# Altium PCB 1.PcbDoc (part 1 of 2)
Units mil, origin at the board's own origin, x right, y up, seen from the top; angles counter-clockwise.
Board outline 4225.03 x 4485.03 mil, 2 copper layers (Top Layer, Bottom Layer); 137 components, 104 nets, 694 pads, 56 vias.
Unrouted connection lines stored in the file: 96.
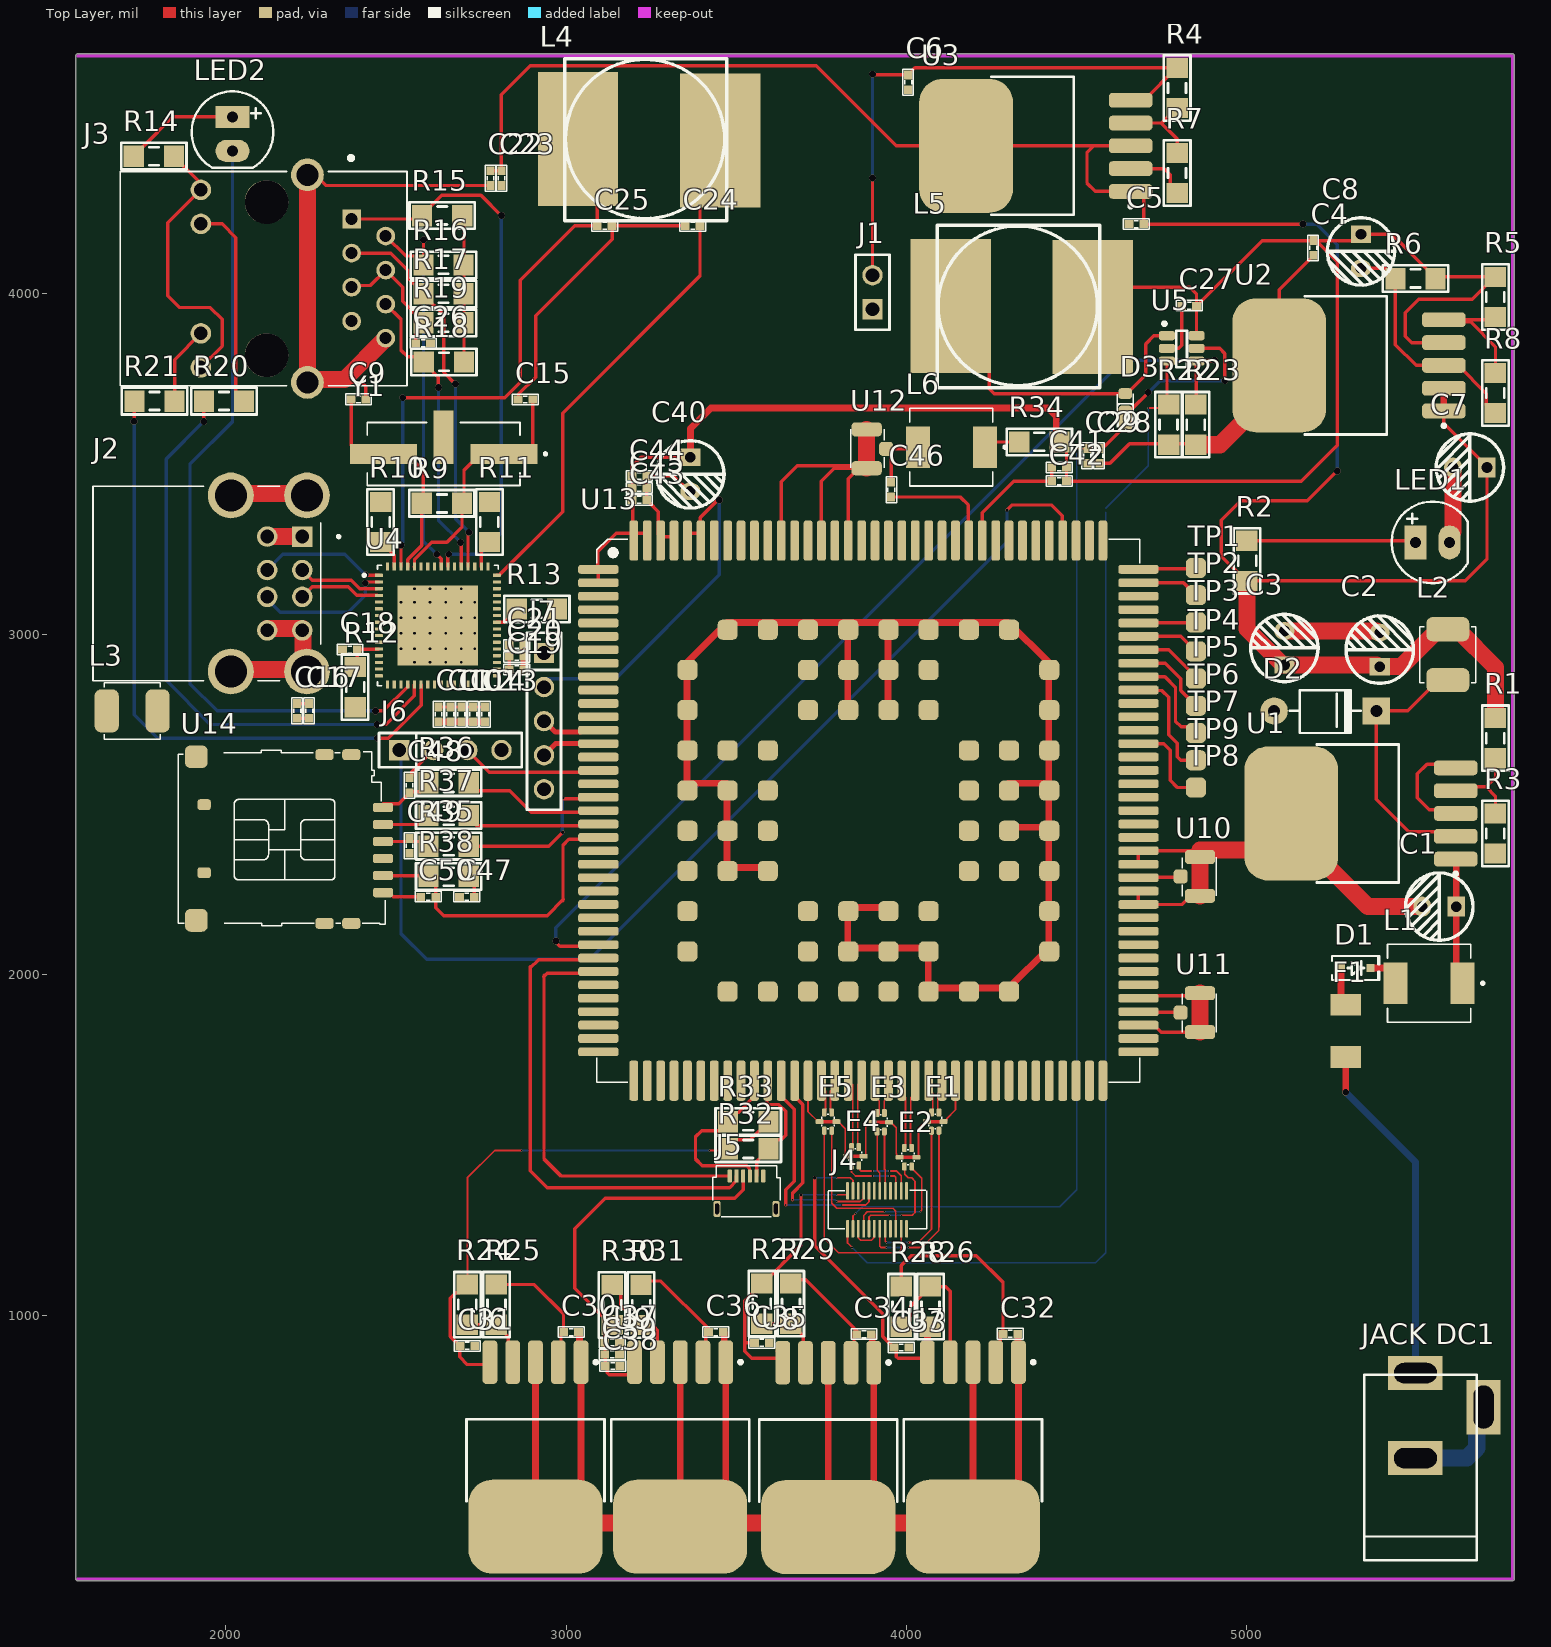
[diagram p0: Top Layer view]
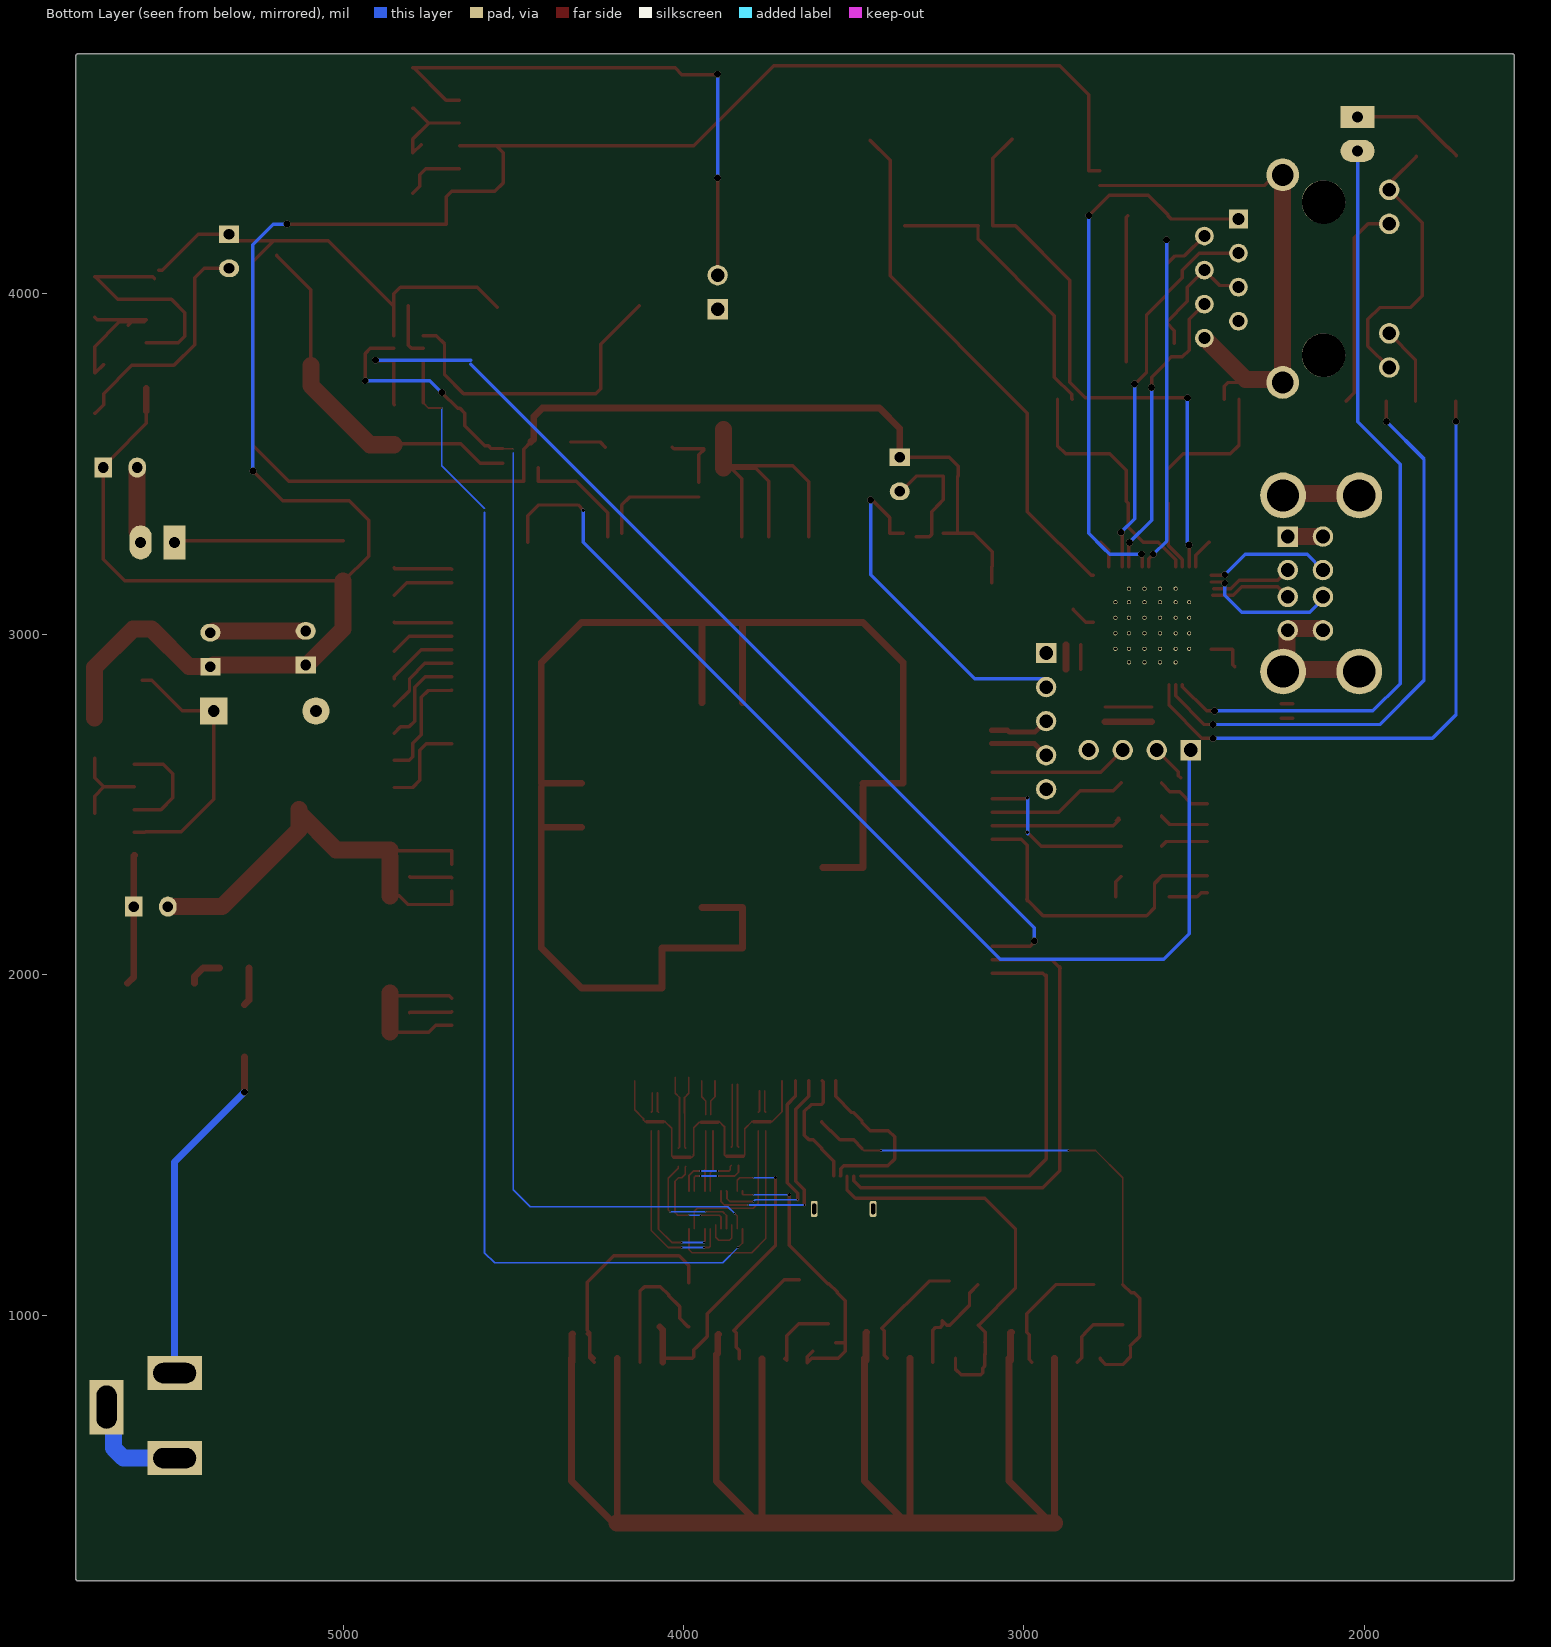
[diagram p1: Bottom Layer view, seen from below]
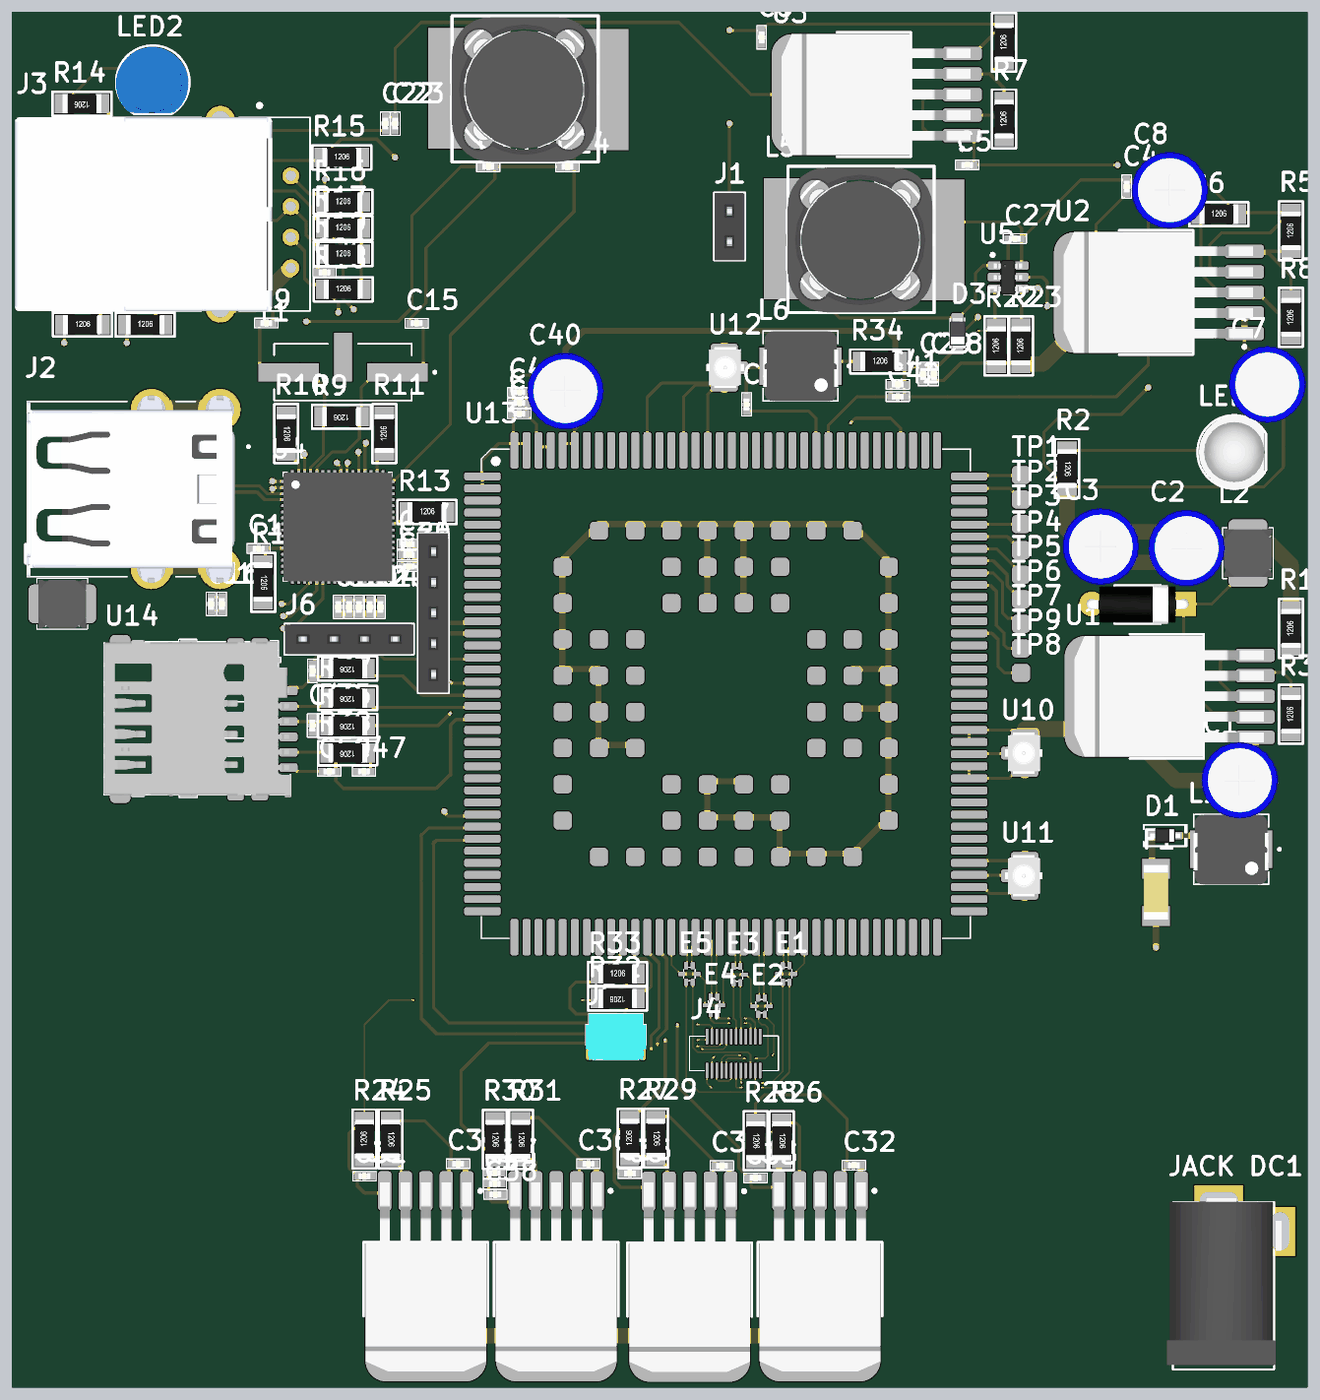
[diagram p3: 3D render of the assembled board from above, using the file's embedded part models]

## Layer stack, top to bottom
Top Solder: solder mask 0.4, Solder Resist, Dk 3.5
Top Layer: signal copper 1.4
Dielectric 1: dielectric 12.6, FR-4, Dk 4.8
Bottom Layer: signal copper 1.4
Bottom Solder: solder mask 0.4, Solder Resist, Dk 3.5

## Board outline
1559.98,225 1559.98,4700 cw(c1565,4700) 1565,4705.02 5780,4705.02 cw(c5780,4700) 5785.01,4700 5785.02,225 cw(c5780,225) 5779.97,219.99 1565,219.99 cw(c1565,225)

## Design rules (kind name [scope] priority, off if disabled: settings)
Clearance [All] p1: gap=0 ignorepadtopadclearanceinfootprint=FALSE
DiffPairsRouting [All] p1: maxlimit=10 minlimit=10 mostfreqgap=10 toplayer_minwidth=5 toplayer_maxwidth=15 toplayer_prefwidth=15 bottomlayer_minwidth=5 bottomlayer_maxwidth=15 bottomlayer_prefwidth=15 maxuncoupledlength=500
PolygonConnect [All] p1: connectstyle=Relief reliefconductorwidth=10 reliefentries=4 polygonreliefangle="90 Angle" airgapwidth=10
RoutingVias [All] p1: holewidth=28 width=50 viastyle="Through Hole" minholewidth=28 minwidth=50 maxholewidth=28 maxwidth=50
SolderMaskExpansion [All] p1: expansion=4 istentingtop=FALSE
Width [All] p1: maxlimit=50 minlimit=5 preferedwidth=10
29 further rules are at their usual default settings.

## Classes and differential pairs
component class "USB (1)": C9 C10 C11 C12 C13 C14 C15 C16 C17 C18 C19 C20 C21 C22 C23 C24 C25 C26 J1 J2 J3 L3 L4 LED2 R9 R10 R11 R12 R13 R14 R15 R16 R17 R18 R19 R20 R21 U4 Y1
component class "SC20 (2)": C40 C41 C42 C43 C44 C45 C46 C47 C48 C49 C50 J6 J7 L6 R34 R35 R36 R37 R38 TP1 TP2 TP3 TP4 TP5 TP6 TP7 TP8 TP9 U10 U11 U12 U13 U14
component class "Power (2)": C1 C2 C3 C4 C5 C6 C7 C8 D1 D2 F1 "JACK DC1" L1 L2 LED1 R1 R2 R3 R4 R5 R6 R7 R8 U1 U2 U3
component class "LCD_Touch (1)": C27 C28 C29 C30 C31 C32 C33 C34 C35 C36 C37 C38 C39 D3 E1 E2 E3 E4 E5 J4 J5 L5 R22 R23 R24 R25 R26 R27 R28 R29 R30 R31 R32 R33 U5 U6 U7 U8 U9
differential pair NewDifferentialPair2: +USB_D2_N -USB_D2_P
differential pair NewDifferentialPair1: +USB_D3_N -USB_D3_P
differential pair USB_D: +USB_D_P -USB_D_N
differential pair SC_LN3: +SC_LN3_P -SC_LN3_N
differential pair SC_LN2: +SC_LN2_P -SC_LN2_N
differential pair SC_LN1: +SC_LN1_P -SC_LN1_N
differential pair SC_LN0: +SC_LN0_P -SC_LN0_N
differential pair SC_CLK: +SC_CLK_P -SC_CLK_N

## Components (designator, comment, footprint, x,y, rotation, side; value= is the part's Value field where it differs from the comment)
C1 "100uF 20V" "TU HOA 5mm" 5565,2200 r180 top
C2 "470uF 10V" "TU HOA 5mm" 5390,2955 r90 top
C3 "470uF 10V" "TU HOA 5mm" 5110,2960 r90 top
C4 "100nF 10V" "tu 0402" 5195,4135 r90 top
C5 "4.7uF 10V" "tu 0402" 4675,4205 r0 top
C6 "4.7uF 10V" "tu 0402" 4005,4621.65 r90 top
C7 "100uF 10V" "TU HOA 5mm" 5655,3490 r180 top
C8 "470uF 10V" "TU HOA 5mm" 5335,4125 r270 top
C9 "33pF 50V" "tu 0402" 2390,3690 r0 top
C10 "4.7uF 10V" "tu 0402" 2660,2765 r90 top
C11 "100nF 10V" "tu 0402" 2625,2765 r90 top
C12 "100nF 10V" "tu 0402" 2692.03,2765 r90 top
C13 "100nF 10V" "tu 0402" 2762.03,2765 r90 top
C14 "100nF 10V" "tu 0402" 2727.03,2765 r90 top
C15 "33pF 50V" "tu 0402" 2880,3690 r180 top
C16 "0.1uF 10V 10%" "tu 0402" 2210,2775 r90 top
C17 "0.1uF 10V 10%" "tu 0402" 2245,2775 r90 top
C18 "0.01uF" "tu 0402" 2365,2955 r0 top
C19 "100nF 10V" "tu 0402" 2854.81,2897.34 r180 top
C20 "4.7uF 10V" "tu 0402" 2854.84,2934.37 r180 top
C21 "100nF 10V" "tu 0402" 2854.84,2969.37 r180 top
C22 "4.7uF 10V" "tu 0402" 2777.97,4340.03 r90 top
C23 "100nF 10V" "tu 0402" 2810,4340 r270 top
C24 "0.1uF" "tu 0402" 3371.65,4200 r180 top
C25 "1.0uF" "tu 0402" 3113.35,4200 r180 top
C26 "22nF 10V" "tu 0402" 2580,3855 r0 top
C27 "4.7uF 10V" "tu 0402" 4830,3965 r0 top
C28 "1uF" "tu 0402" 4566.22,3524.37 r90 top
C29 "1nF" "tu 0402" 4531.22,3524.37 r90 top
C30 "4.7uF 10V" "tu 0402" 3015,950 r0 top
C31 "4.7uF 10V" "tu 0402" 2710,910 r180 top
C32 "4.7uF 10V" "tu 0402" 4305,945 r0 top
C33 "4.7uF 10V" "tu 0402" 3985,905 r180 top
C34 "4.7uF 10V" "tu 0402" 3875.02,943.76 r0 top
C35 "4.7uF 10V" "tu 0402" 3575.02,918.76 r180 top
C36 "4.7uF 10V" "tu 0402" 3440,950 r0 top
C37 "4.7uF 10V" "tu 0402" 3135,920 r180 top
C38 "100nF 10V" "tu 0402" 3136.65,850.62 r180 top
C39 "4.7uF 10V" "tu 0402" 3135,885 r180 top
C40 "100uF 10V" "TU HOA 5mm" 3365,3470 r270 top
C41 "1uF 10V" "tu 0402" 4448.35,3490 r0 top
C42 "100pF 10V" "tu 0402" 4448.35,3450 r0 top
C43 "10pF 10V" "tu 0402" 3215,3395 r180 top
C44 "33pF 10V" "tu 0402" 3215,3465 r180 top
C45 "100nF 10V" "tu 0402" 3215,3430 r180 top
C46 "100nF" "tu 0402" 3955,3425 r270 top
C47 "33pF 5V" "tu 0402" 2708.37,2228.76 r0 top
C48 "33pF 5V" "tu 0402" 2540,2556.65 r270 top
C49 "33pF 5V" "tu 0402" 2540.02,2378.76 r90 top
C50 "33pF 5V" "tu 0402" 2595.02,2228.76 r0 top
D1 "SS34" "DIODE SOD323F" 5320,2020 r0 top
D2 "DIODE SS34" "DIODE 1A" 5030,2775 r180 top
D3 "DIODE RB16VA-40" RB16VA-40 4670,3660 r270 top
E1 "" ICMEF112P900MFR 4105.02,1568.76 r0 top
E2 "EMI FILTER" ICMEF112P900MFR 4025.02,1463.76 r0 top
E3 "EMI FILTER" ICMEF112P900MFR 3944.86,1566.79 r0 top
E4 "EMI FILTER" ICMEF112P900MFR 3869.86,1466.79 r0 top
E5 "EMI FILTER" ICMEF112P900MFR 3790.02,1568.76 r0 top
F1 "38212500000" "Cau Chi SMD1808" 5290,1835 r90 top
J1 "Jp 2" "JP 1x2 CT" 3900,3955 r90 top
J2 "SS-52100-003" BEL_SS-52100-003 2015.16,3149.37 r270 top
J3 "HR911105A" HANRUN_HR911105A 2120,4044.8 r90 top
J4 "LCM_CONNECT_245804024" A245804024 4000.02,1364.99 r180 top
J5 "TOUCH_CONNECT" FH34SRJ-6S-0.5SH 3628.29,1438.29 r180 top
J6 "Jp 4" "JP 1x4 CT" 2510,2660 r0 top
J7 "Jp 5" "JP 1X5 CT" 2935,2945 r270 top
"JACK DC1" "JACK DC 5.5" "JACK DC 5.5" 5595,705 r90 top value="Jac DC"
L1 "CBC3225T2R2MR" "CUON CAM SMD 0530" 5535,1975 r180 top
L2 "100uH" LQH44PN1R0NP0 5590,3018.94 r90 top
L3 "L 0805 2Amp/0.05DCR" LQH44PN1R0NP0 1803.94,2775 r0 top
L4 "L 0805 2Amp/0.05DCR" "Cuon Cam 12x12x10" 2995.63,4691.22 r270 top
L5 "22uH L 0805" "Cuon Cam 12x12x10" 4090.63,4201.22 r270 top
L6 "56nH L 0805" "CUON CAM SMD 0530" 4131.57,3550 r180 top
LED1 "LED 0805" LED-5MM-RED 5495,3270 r0 top
LED2 "LED 0805" LED-5MM-BLUE 2020,4475 r270 top
R1 "3.1k" "Tro SMD 1206" 5730,2695 r90 top
R2 "1K" "Tro SMD 1206" 5000,3215.94 r270 top
R3 "1k" "Tro SMD 1206" 5730,2415 r90 top
R4 "47k" "Tro SMD 1206" 4795,4605 r90 top
R5 "2.2k" "Tro SMD 1206" 5730,3990.94 r90 top
R6 "2.2k" "Tro SMD 1206" 5495,4045 r0 top
R7 "15k" "Tro SMD 1206" 4795,4355 r90 top
R8 "1k" "Tro SMD 1206" 5730,3709.06 r90 top
R9 "1M" "Tro SMD 1206" 2635,3385 r180 top
R10 "12k" "Tro SMD 1206" 2455,3330 r270 top
R11 "12.4k 1%" "Tro SMD 1206" 2775,3330 r90 top
R12 "10k 1%" "Tro SMD 1206" 2380,2845 r270 top
R13 "10k" "Tro SMD 1206" 2913.9,3074.37 r0 top
R14 "1k" "Tro SMD 1206" 1789.06,4405 r180 top
R15 "49.9 1%" "Tro SMD 1206" 2635.94,4230 r0 top
R16 "49.9 1%" "Tro SMD 1206" 2640,4085 r0 top
R17 "49.9 1%" "Tro SMD 1206" 2640,4000 r0 top
R18 "49.9 1%" "Tro SMD 1206" 2640.94,3800 r0 top
R19 "10 1%" "Tro SMD 1206" 2640,3915 r0 top
R20 "1k" "Tro SMD 1206" 1995,3685 r0 top
R21 "1k" "Tro SMD 1206" 1790.94,3685 r0 top
R22 "5R" "Tro SMD 1206" 4770,3615.94 r90 top
R23 "10K" "Tro SMD 1206" 4850,3615.94 r90 top
R24 "15K" "Tro SMD 1206" 2710,1030.94 r90 top
R25 "12K" "Tro SMD 1206" 2795,1030.94 r270 top
R26 "30K" "Tro SMD 1206" 4070,1025 r270 top
R27 "15K" "Tro SMD 1206" 3575.02,1033.76 r90 top
R28 "12K" "Tro SMD 1206" 3985,1025 r270 top
R29 "12K" "Tro SMD 1206" 3660.02,1033.76 r270 top
R30 "30K" "Tro SMD 1206" 3135,1030 r270 top
R31 "12K" "Tro SMD 1206" 3220,1030 r270 top
R32 "10K" "Tro SMD 1206" 3535.02,1488.76 r180 top
R33 "10K" "Tro SMD 1206" 3535.02,1568.76 r0 top
R34 "10R" "Tro SMD 1206" 4390,3565 r0 top
R35 "22R" "Tro SMD 1206" 2655.02,2377.76 r180 top
R36 "22R" "Tro SMD 1206" 2655,2564 r180 top
R37 "22R" "Tro SMD 1206" 2655.02,2467.76 r180 top
R38 "10K" "Tro SMD 1206" 2655.02,2288.76 r180 top
TP1 "Test Point" TP 4850,3195 r0 top
TP2 "Test Point" TP 4850,3115 r90 top
TP3 "Test Point" TP 4850,3035 r90 top
TP4 "Test Point" TP 4850,2950 r90 top
TP5 "Test Point" TP 4850,2870 r90 top
TP6 "Test Point" TP 4850,2790 r90 top
TP7 "Test Point" TP 4850,2710 r90 top
TP8 "Test Point" TP 4850,2550 r90 top
TP9 "Test Point" TP 4850,2630 r90 top
U1 "LM2576H-ADJ" MIC29302WU 5366.26,2473.78 r180 top
U2 "MIC29302WU" MIC29302WU 5331.24,3790.02 r180 top
U3 "AP7365-ADJ" MIC29302WU 4411.24,4435.02 r180 top
U4 "LAN9512-JZX" QFN50P900X900X100-65N 2623.11,3025.87 r0 top
U5 "SGM3732" SGM3732 4859.49,3877.4 r0 top
U6 "AP7365-ADJ" MIC29302WU 2910,615 r270 top
U7 "AP7365-ADJ" MIC29302WU 4195,615 r270 top
U8 "AP7365-ADJ" MIC29302WU 3770.02,613.76 r270 top
U9 "AP7365-ADJ" MIC29302WU 3335,615 r270 top
U10 "UF.L-R-SMT" UFL 4909.36,2344.86 r270 top
U11 "UF.L-R-SMT" UFL 4909.36,1944.86 r270 top
U12 "UF.L-R-SMT" UFL 3835.67,3488.9 r90 top
U13 "SC20" SC20 3137.86,3239.94 r0 top
U14 "MUP C719" 78646-3001 2175.02,2393.76 r180 top
Y1 "ECS-250-18-5G3X-JGN-TR" XTAL_ECS-250-18-5G3X-JGN-TR 2640,3530 r180 top

## Footprints (in the part's own frame and the unit in brackets; to place one, negate y for a bottom-side part, rotate by r counter-clockwise, add the part's x,y. Pads: shape width x height; smd on the part's side, far side on the other; paste and mask are expansions set on the pad)
78646-3001 [mm]
  rrect50% 1.5x0.7 smd: C1(-7.295,2.6) C2(-7.295,0.06) C3(-7.295,-2.48) C5(-7.295,3.87) C6(-7.295,1.33) C7(-7.295,-1.21)
  rrect50% 1.35x0.8 smd: C9(-4.925,6.17) C9(-4.925,-6.425) C9(-2.925,6.17) C9(-2.925,-6.425)
  rrect50% 1.7x1.7 smd: C9(6.635,5.945) C9(6.635,-6.265)
  rrect50% 1x0.8 smd: ""(6.055,-2.695) ""(6.055,2.385)
  silkscreen extent -7.45,-6.75 8,6.35, body extent -7.45,-6.7 8,6.35, height 1.46
A245804024 [mm]
  rrect50% 0.2x1.3 smd: 1(0,2.825) 2(0.4,2.825) 3(0.8,2.825) 4(1.2,2.825) 5(1.6,2.825) 6(2,2.825) 7(2.4,2.825) 8(2.8,2.825) 9(3.2,2.825) 10(3.6,2.825) 11(4,2.825) 12(4.4,2.825) 13(4.4,0) 14(4,0) 15(3.6,0) 16(3.2,0) 17(2.8,0) 18(2.4,0) 19(2,0) 20(1.6,0) 21(1.2,0) 22(0.8,0) 23(0.4,0) 24(0,0)
  silkscreen extent -1.5,-0.05 5.85,2.84
BEL_SS-52100-003 [mm]
  rect 1.53x1.53 / inner round 1.53 / far side rect 1.53x1.53 hole 1.02: 1(-3.5,5.33)
  round 1.53 hole 1.02: 2(-1,5.33) 3(1,5.33) 4(3.5,5.33) 5(-3.5,2.71) 6(-1,2.71) 7(1,2.71) 8(3.5,2.71)
  round 3.416 hole 2.4: S1(-6.57,5.68) S2(6.57,5.68) S3(-6.57,0) S4(6.57,0)
  silkscreen extent -7.25,-10.28 7.25,8.14, body extent -7.9,-10.3 7.9,6.9, height 15.95
"Cau Chi SMD1808" [mil]
  rect 64x90 smd: 1(-77,0) 2(77,0)
  body extent -91,-39 91,39, height 39
"Cuon Cam 12x12x10" [mm] "Cuon Cam 12x12x10"
  rect 10x6 smd: 1(6.1,11.6) 2(6,1)
  silkscreen extent 0,0 12.1,12.1, body extent 0.1,-0.2 12.1,12.14, height 7.51
"CUON CAM SMD 0530" [mm] "CUON CAM SMD 0530"
  rect 1.8x3.1 smd: 1(-2.5,0) 2(2.5,0)
  silkscreen extent -4.1,-2.9 3.1,2.9, body extent -3.1,-2.88 3.1,2.92, height 3
"DIODE 1A" [mil] "Diode 1A"
  round 80 hole 35: 1(-50,0)
  rect 80x80 hole 35: 2(-350,0)
  silkscreen extent -305,-61 -95,65, body extent -366,-61 -34,65, height 122
"DIODE SOD323F" [mm] "SOD323F"
  rect 0.6x0.6 smd: 1(-1.1,0) 2(1.1,0)
  silkscreen extent -1.78,-0.89 1.78,0.89, body extent -1.25,-0.62 1.25,0.63, height 0.8
FH34SRJ-6S-0.5SH [mm]
  rrect50% 0.5x1.2 hole 0.3 slot 0.8 at 90 deg: 0(0.3,3.2) 0(4.7,3.2)
  rrect50% 0.3x1 smd: 1(3.75,0.75) 2(3.25,0.75) 3(2.75,0.75) 4(2.25,0.75) 5(1.75,0.75) 6(1.25,0.75)
  silkscreen extent 0,-0.03 5,3.8, body extent 0,0 5,3.8
HANRUN_HR911105A [mm]
  rect 1.398x1.398 / inner round 1.398 / far side rect 1.398x1.398 hole 0.89: 1(4.45,-6.35)
  round 1.398 hole 0.89: 2(3.18,-8.89) 3(1.91,-6.35) 4(0.64,-8.89) 5(-0.63,-6.35) 6(-1.9,-8.89) 7(-3.17,-6.35) 8(-4.44,-8.89)
  round 1.53 hole 1.02: 9(6.625,4.9) 10(4.085,4.9) 11(-4.085,4.9) 12(-6.625,4.9)
  round 2.445 hole 1.63: 15(7.745,-3.05) 16(-7.745,-3.05)
  round 3.25 hole 3.25 unplated: ""(-5.715,0) ""(5.715,0)
  silkscreen extent -8,-10.48 9.15,10.92, body extent -8.02,-7.35 8.02,13.95, height 13.5
ICMEF112P900MFR [mm]
  rrect50% 0.35x0.6 smd: 1(-0.8,0.685) 2(-0.25,0.685) 3(-0.25,-0.685) 4(-0.8,-0.685)
  rrect50% 0.6x0.35 smd: 5(-1.15,0) 6(0.1,0)
  silkscreen extent -1,-0.55 -0.05,0.55
"JACK DC 5.5" [mil] "Jac DC input"
  rect 100x160 hole 59.06 slot 125.98 at 90 deg: 1(125,100) 2(-125,100)
  rect 160x100 hole 59.06 slot 125.98 at 0 deg: 3(25,-100)
  silkscreen extent -425,-80 120,250, body extent -410,-105 134,269, height 434
"JP 1x2 CT" [mm] "JP 1x2 CT"
  rect 1.52x1.52 hole 1.02: 1(0,0)
  round 1.52 hole 1.02: 2(2.54,0)
  silkscreen extent -1.52,-1.27 4.06,1.27, body extent -1.52,-1.25 4.06,1.25, height 8.51
"JP 1x4 CT" [mm]
  rect 1.52x1.52 hole 1.02: 1(0,0)
  round 1.52 hole 1.02: 2(2.54,0) 3(5.08,0) 4(7.62,0)
  silkscreen extent -1.52,-1.27 9.14,1.27, body extent -1.52,-1.25 9.14,1.25, height 8.51
"JP 1X5 CT" [mm]
  rect 1.52x1.52 hole 1.02: 1(0,0)
  round 1.52 hole 1.02: 2(2.54,0) 3(5.08,0) 4(7.62,0) 5(10.16,0)
  silkscreen extent -1.52,-1.27 11.68,1.27, body extent -1.52,-1.25 11.68,1.25, height 8.51
LED-5MM-BLUE [mil] "LED 2 PIN, 5 ly , Only colour, pin to pin 110mil"
  rect 65x100 hole 32: 1(-45,0)
  oval 65x100 hole 32: 2(55,0)
  silkscreen extent -120,-120 104,120, body extent -113,-120 100,117, height 339
LED-5MM-RED [mil] "LED 2 PIN, 5 ly , Only colour,pin to pin 100mil"
  rect 65x100 hole 32: 1(0,0)
  oval 65x100 hole 32: 2(100,0)
  silkscreen extent -70,-120 154,120, body extent -65,-119 149,118, height 339
LQH44PN1R0NP0 [mm] "Precision Wire Wound Inductor, 2-Leads, Body 4.00x4.00mm, IPC Low Density"
  rrect50% 1.8x3.2 smd: 1(-3.9,0) 2(-0.1,0)
  silkscreen extent -4.1,-2.1 0.1,2.1, body extent -3.97,-1.97 -0.02,1.98, height 1.8
MIC29302WU [mm]
  rrect50% 3.25x1.1 smd: 1(-6.274,3.401) 2(-6.274,1.701) 3(-6.274,0.001) 4(-6.274,-1.699) 5(-6.274,-3.399)
  rrect50% 7x10 smd: 3(6.001,0.001)
  silkscreen extent -6.4,-5.15 4.1,5.15, body extent -6.99,-5 8.68,5, height 4.78
QFN50P900X900X100-65N [mm]
  rrect25% 0.6x0.24 smd: 1(-4.4,3.75) 2(-4.4,3.25) 3(-4.4,2.75) 4(-4.4,2.25) 5(-4.4,1.75) 6(-4.4,1.25) 7(-4.4,0.75) 8(-4.4,0.25) 9(-4.4,-0.25) 10(-4.4,-0.75) 11(-4.4,-1.25) 12(-4.4,-1.75) 13(-4.4,-2.25) 14(-4.4,-2.75) 15(-4.4,-3.25) 16(-4.4,-3.75) 33(4.4,-3.75) 34(4.4,-3.25) 35(4.4,-2.75) 36(4.4,-2.25) 37(4.4,-1.75) 38(4.4,-1.25) 39(4.4,-0.75) 40(4.4,-0.25) 41(4.4,0.25) 42(4.4,0.75) 43(4.4,1.25) 44(4.4,1.75) 45(4.4,2.25) 46(4.4,2.75) 47(4.4,3.25) 48(4.4,3.75)
  rrect25% 0.24x0.6 smd: 17(-3.75,-4.4) 18(-3.25,-4.4) 19(-2.75,-4.4) 20(-2.25,-4.4) 21(-1.75,-4.4) 22(-1.25,-4.4) 23(-0.75,-4.4) 24(-0.25,-4.4) 25(0.25,-4.4) 26(0.75,-4.4) 27(1.25,-4.4) 28(1.75,-4.4) 29(2.25,-4.4) 30(2.75,-4.4) 31(3.25,-4.4) 32(3.75,-4.4) 49(3.75,4.4) 50(3.25,4.4) 51(2.75,4.4) 52(2.25,4.4) 53(1.75,4.4) 54(1.25,4.4) 55(0.75,4.4) 56(0.25,4.4) 57(-0.25,4.4) 58(-0.75,4.4) 59(-1.25,4.4) 60(-1.75,4.4) 61(-2.25,4.4) 62(-2.75,4.4) 63(-3.25,4.4) 64(-3.75,4.4)
  rect 6x6 smd paste-2.52: 65(0,0)
  round 0.3 hole 0.2 mask+0: 66(-0.58,-0.58) 67(-0.58,0.58) 68(0.58,0.58) 69(0.58,-0.58) 70(1.74,-0.58) 71(1.74,0.58) 72(2.75,0.58) 73(2.75,-0.58) 74(-1.74,0.58) 75(-1.74,-0.58) 76(-2.75,0.58) 77(-2.75,-0.58) 78(-0.58,1.74) 79(0.58,1.74) 80(1.74,1.74) 81(2.75,1.74) 82(-1.74,1.74) 83(-2.75,1.74) 84(-0.58,-1.74) 85(0.58,-1.74) 86(1.74,-1.74) 87(2.75,-1.74) 88(-1.74,-1.74) 89(-2.75,-1.74) 90(-0.58,-2.75) 91(0.58,-2.75) 92(1.74,-2.75) 94(-1.74,-2.75) 96(-0.58,2.75) 97(0.58,2.75) 98(1.74,2.75) 100(-1.74,2.75)
  silkscreen extent -5.59,-4.5 4.5,4.5, body extent -4.5,-4.5 4.5,4.5, height 0.9
RB16VA-40 [mm]
  rrect50% 0.8x1 smd: 1(-1.2,-0.7)
  rrect50% 2x1 smd: 2(0.7,-0.7)
  silkscreen extent -1.17,-1.35 1.33,-0.05, body extent -1.17,-1.32 1.33,-0.02, height 0.81
SC20 [mm]
  rrect50% 3x0.65 smd: 1(-1.1,-1.25) 2(-1.1,-2.25) 3(-1.1,-3.25) 4(-1.1,-4.25) 5(-1.1,-5.25) 6(-1.1,-6.25) 7(-1.1,-7.25) 8(-1.1,-8.25) 9(-1.1,-9.25) 10(-1.1,-10.25) 11(-1.1,-11.25) 12(-1.1,-12.25) 13(-1.1,-13.25) 14(-1.1,-14.25) 15(-1.1,-15.25) 16(-1.1,-16.25) 17(-1.1,-17.25) 18(-1.1,-18.25) 19(-1.1,-19.25) 20(-1.1,-20.25) 21(-1.1,-21.25) 22(-1.1,-22.25) 23(-1.1,-23.25) 24(-1.1,-24.25) 25(-1.1,-25.25) 26(-1.1,-26.25) 27(-1.1,-27.25) 28(-1.1,-28.25) 29(-1.1,-29.25) 30(-1.1,-30.25) 31(-1.1,-31.25) 32(-1.1,-32.25) 33(-1.1,-33.25) 34(-1.1,-34.25) 35(-1.1,-35.25) 36(-1.1,-36.25) 37(-1.1,-37.25) 74(39.2,-37.25) 75(39.2,-36.25) 76(39.2,-35.25) 77(39.2,-34.25) 78(39.2,-33.25) 79(39.2,-32.25) 80(39.2,-31.25) 81(39.2,-30.25) 82(39.2,-29.25) 83(39.2,-28.25) 84(39.2,-27.25) 85(39.2,-26.25) 86(39.2,-25.25) 87(39.2,-24.25) 88(39.2,-23.25) 89(39.2,-22.25) 90(39.2,-21.25) 91(39.2,-20.25) 92(39.2,-19.25) 93(39.2,-18.25) 94(39.2,-17.25) 95(39.2,-16.25) 96(39.2,-15.25) 97(39.2,-14.25) 98(39.2,-13.25) 99(39.2,-12.25) 100(39.2,-11.25) 101(39.2,-10.25) 102(39.2,-9.25) 103(39.2,-8.25) 104(39.2,-7.25) 105(39.2,-6.25) 106(39.2,-5.25) 107(39.2,-4.25) 108(39.2,-3.25) 109(39.2,-2.25) 110(39.2,-1.25)
  rrect50% 0.65x3 smd: 38(1.55,-39.4) 39(2.55,-39.4) 40(3.55,-39.4) 41(4.55,-39.4) 42(5.55,-39.4) 43(6.55,-39.4) 44(7.55,-39.4) 45(8.55,-39.4) 46(9.55,-39.4) 47(10.55,-39.4) 48(11.55,-39.4) 49(12.55,-39.4) 50(13.55,-39.4) 51(14.55,-39.4) 52(15.55,-39.4) 53(16.55,-39.4) 54(17.55,-39.4) 55(18.55,-39.4) 56(19.55,-39.4) 57(20.55,-39.4) 58(21.55,-39.4) 59(22.55,-39.4) 60(23.55,-39.4) 61(24.55,-39.4) 62(25.55,-39.4) 63(26.55,-39.4) 64(27.55,-39.4) 65(28.55,-39.4) 66(29.55,-39.4) 67(30.55,-39.4) 68(31.55,-39.4) 69(32.55,-39.4) 70(33.55,-39.4) 71(34.55,-39.4) 72(35.55,-39.4) 73(36.55,-39.4) 111(36.55,0.9) 112(35.55,0.9) 113(34.55,0.9) 114(33.55,0.9) 115(32.55,0.9) 116(31.55,0.9) 117(30.55,0.9) 118(29.55,0.9) 119(28.55,0.9) 120(27.55,0.9) 121(26.55,0.9) 122(25.55,0.9) 123(24.55,0.9) 124(23.55,0.9) 125(22.55,0.9) 126(21.55,0.9) 127(20.55,0.9) 128(19.55,0.9) 129(18.55,0.9) 130(17.55,0.9) 131(16.55,0.9) 132(15.55,0.9) 133(14.55,0.9) 134(13.55,0.9) 135(12.55,0.9) 136(11.55,0.9) 137(10.55,0.9) 138(9.55,0.9) 139(8.55,0.9) 140(7.55,0.9) 141(6.55,0.9) 142(5.55,0.9) 143(4.55,0.9) 144(3.55,0.9) 145(2.55,0.9) 146(1.55,0.9)
  rrect50% 1.5x1.5 smd: 147(5.55,-8.75) 148(5.55,-11.75) 149(5.55,-14.75) 150(5.55,-17.75) 151(5.55,-29.75) 152(5.55,-20.75) 153(5.55,-23.75) 154(5.55,-26.75) 155(8.55,-32.75) 156(11.55,-32.75) 157(14.55,-32.75) 158(17.55,-32.75) 159(20.55,-32.75) 160(23.55,-32.75) 161(26.55,-32.75) 162(29.55,-32.75) 163(32.55,-29.75) 164(32.55,-26.75) 165(32.55,-23.75) 166(32.55,-20.75) 167(32.55,-17.75) 168(32.55,-14.75) 169(32.55,-11.75) 170(32.55,-8.75) 171(29.55,-5.75) 172(26.55,-5.75) 173(23.55,-5.75) 174(20.55,-5.75) 175(17.55,-5.75) 176(14.55,-5.75) 177(11.55,-5.75) 178(8.55,-5.75) 179(8.55,-14.75) 180(8.55,-17.75) 181(8.55,-20.75) 182(8.55,-23.75) 183(14.55,-29.75) 184(17.55,-29.75) 185(20.55,-29.75) 186(23.55,-29.75) 187(29.55,-23.75) 188(29.55,-20.75) 189(29.55,-17.75) 190(29.55,-14.75) 191(23.55,-8.75) 192(20.55,-8.75) 193(17.55,-8.75) 194(14.55,-8.75) 195(11.55,-14.75) 196(11.55,-17.75) 197(11.55,-20.75) 198(11.55,-23.75) 199(14.55,-26.75) 200(17.55,-26.75) 201(20.55,-26.75) 202(23.55,-26.75) 203(26.55,-23.75) 204(26.55,-20.75) 205(26.55,-17.75) 206(26.55,-14.75) 207(23.55,-11.75) 208(20.55,-11.75) 209(17.55,-11.75) 210(14.55,-11.75)
  silkscreen extent -1.2,-39.5 39.3,1
SGM3732 [mm] "SOT23, 6-Leads, Body 2.92x2.80mm, Pitch 0.95mm, IPC Low Density"
  rrect50% 1.2x0.69 smd: 1(-2.4,0) 2(-2.4,-0.95) 3(-2.4,-1.9) 4(-0.2,-1.9) 5(-0.2,-0.95) 6(-0.2,0)
  silkscreen extent -2.71,-2.35 -0.9,1.02, body extent -2.49,-2.44 -0.15,0.48, height 1
TP [mm]
  rrect50% 1.5x1.5 smd: 1(0,0)
"Tro SMD 1206" [mm]
  rect 1.5x1.6 smd: 1(-1.5,0) 2(1.5,0)
  silkscreen extent -2.44,-0.99 2.44,0.99, body extent -1.6,-0.8 1.6,0.8, height 0.6
"tu 0402" [mm]
  rect 0.65x0.6 smd: 1(-0.55,0) 2(0.55,0)
  silkscreen extent -0.97,-0.38 0.97,0.41, body extent -0.5,-0.27 0.5,0.26, height 0.35
"TU HOA 5mm" [mm]
  rect 1.3x1.5 hole 0.8: 1(-1.27,0)
  oval 1.3x1.5 hole 0.8: 2(1.27,0)
  silkscreen extent -2.51,-2.51 2.51,2.51, body extent -3.12,-3.18 3.23,3.18, height 14.55
UFL [mm]
  rrect50% 1.05x2.25 smd: E(-0.025,-1.2) E(2.875,-1.2)
  rrect50% 1.05x1.05 smd: S(1.425,-2.65)
  silkscreen extent 0,-2.52 2.9,0, body extent -0.28,-2.83 3.12,0.27, height 1.35
XTAL_ECS-250-18-5G3X-JGN-TR [mm]
  rect 5x1.5 smd: 1(-4.5,0) 2(4.5,0)
  rect 1.5x4 smd: 3(0,-1.25)
  silkscreen extent -7.7,-2.35 5.7,2.35

## Part data
C1 C2 C3 C7 C8 C40: library part "C Polarize 8x10.2"
C4 C5 C6 C9 C10 C11 C12 C13 C14 C15 C16 C17 C18 C19 C20 C21 C22 C23 C24 C25 C26 C27 C28 C29 C30 C31 C32 C33 C34 C35 C36 C37 C38 C39 C41 C42 C43 C44 C45 C46 C47 C48 C49 C50: library part "C 0805"
D1: library part "Diode SS34 ( 1N5822 )", "Dán", Chung_Loai=Dán, Don_Vi=Con, Ma_Hang=MH002104, Ten_Linh_Kien="Diode SS34 3A 40V SMA ( 1N5822 SS34A)"
E1: library part "EMI FILTER"
F1: "No Description Available", Mfr_Name="Littelfuse Inc", Copyright="Copyright (C) 2023 Ultra Librarian. All rights reserved.", Manufacturer_Part_Number=38212500000, RefDes=RefDes, Type=DEV
J2: Package=None, Availability=Unavailable, MP=SS-52100-003, Price=None
J3: "DIP RJ45 Connector;", Package=None, Availability="Not in stock", Check_prices=https://www.snapeda.com/parts/HR911105A/HanRun/view-part/?ref=eda, MF=hanrun, MP=HR911105A, Price=None, SnapEDA_Link=https://www.snapeda.com/parts/HR911105A/HanRun/view-part/?ref=snap
L1: "No Description Available", Mfr_Name="Taiyo Yuden", Copyright="Copyright (C) 2023 Ultra Librarian. All rights reserved.", Manufacturer_Part_Number=CBC3225T2R2MR, RefDes=RefDes, Type=DEV
L2: library part "L 4600"
L3 L4 L5 L6: library part "Ferite 0805"
R1 R2 R3 R4 R5 R6 R7 R8 R9 R10 R11 R12 R13 R14 R15 R16 R17 R18 R19 R20 R21 R22 R23 R24 R25 R26 R27 R28 R29 R30 R31 R32 R33 R34 R35 R36 R37 R38: library part "R 0805"
U1: library part LM2576H
U4: library part LAN9512-JZX-TR, "No Description Available", Mfr_Name=Microchip, Copyright="Copyright (C) 2023 Ultra Librarian. All rights reserved.", Manufacturer_Part_Number=LAN9512-JZX-TR, RefDes=RefDes, Type=DEV
Y1: "25MHz Â±20ppm Crystal 18pF 30 Ohms HC-49/US", Package="HC-49/US ECS Inc.", Availability=Warning, DigiKey-Purchase-URL=https://snapeda.com/shop?store=DigiKey&id=3224549, MF="ECS Inc.", MP=ECS-250-18-5G3X-JGN-TR, Price=None, SnapEDA_Link=https://www.snapeda.com/parts/ECS-250-18-5G3X-JGN-TR/ECS%20Inc./view-part/3224549/?ref=snap

## Via types
v1: diameter 20, hole 20, Top Layer to Bottom Layer, 27 vias
v2: diameter 5, hole 5, Top Layer to Bottom Layer, 24 vias
v3: diameter 10, hole 10, Top Layer to Bottom Layer, 5 vias

## Nets (pads, with @x,y where several pads share a name; then routed paths per layer and width w, separated by ;. In a path a pad name is that pad's centre, name@x,y a point inside that pad or via, vN(x,y) a via of type N, cw(c..) or ccw(c..) an arc to the next point about the centre after c; other vN are vias at no path point)
+3.3: C6.2 J1.2 R4.2 U3.5 | length 1669.1
  Top Layer w10: J1.2@3900,4055 v1(3900,4340.32) ; v1(3900,4645) 3900.85,4644.15 4004.15,4644.15 C6.2@4005,4643.31 4005,4644.29 4024.76,4664.06 R4.2@4793.03,4664.06 ; U3.5@4658.27,4568.86 4697.83,4568.86 R4.2@4793.03,4664.06 ; R4.2@4795,4664.06 R4.2@4793.03,4664.06
  Bottom Layer w10: v1(3900,4340.32) v1(3900,4645)
+5: C2.1 C3.1 C5.2 C7.1 C22.2 C23.1 C30.2 C32.2 C34.2 C36.2 J2.1 J2.5 J7.1 L2.2 R1.2 R2.2 U2.1 U2.2 U3.1 U3.3 U6.1 U6.3 U7.1 U7.3 U8.1 U8.3 U9.1 U9.3 | length 12762.6
  Top Layer w10: C22.2@2777.97,4361.69 C23.1@2810,4361.65 2810,4585 2895,4670 3735,4670 3970,4435 U3.3@4175,4435 4550,4435 ; U3.3@4658.27,4435 4550,4435 ; v1(5165,4205) C5.2@4696.65,4205 4696.65,4284.93 4680.44,4301.14 U3.1@4658.27,4301.14 4554.72,4301.14 4530,4325.86 4530,4415 4550,4435 ; v1(5265,3480) 5177.34,3392.34 4982.34,3392.34 4925,3335 4925,3229.92 4998.03,3156.89 R2.2@5000,3156.89 5641.89,3156.89 5705,3220 C7.1@5705,3490 5705,3493.94 5684.41,3514.53 5683.23,3514.53 5578.27,3619.49 U2.1@5578.27,3656.14
  Top Layer w20: U6.3@2910,390 U6.3@2910,873.27 ; U6.3@2920.55,390 3043.86,513.31 U6.1@3043.86,873.27 ; C30.2@3036.65,950 3037.64,950 3039.45,948.19 3039.45,866.46 U6.1@3043.88,862.03 ; U9.3@3335,390 U9.3@3335,873.27 ; U9.3@3345.55,390 3468.86,513.31 U9.1@3468.86,873.27 ; C36.2@3461.65,950 3462.64,950 3464.45,948.19 3464.45,866.46 U9.1@3468.88,862.03 ; U8.3@3770.02,388.76 3780.57,388.76 3781.81,390 3903.88,512.07 U8.1@3903.88,872.03 ; U8.3@3770.02,390 U8.3@3770.02,872.03 ; C34.2@3896.67,943.76 3897.66,943.76 3899.47,941.95 3899.47,889.31 3903.9,884.88 U8.1@3903.9,860.78 ; U7.3@4195,873.27 4195,390 4205.55,390 4328.86,513.31 4328.86,873.27 U7.1@4327.75,874.38 ; C32.2@4326.65,945 4327.77,943.89 U7.1@4327.77,863.14 ; U2.1@5578.27,3656.14 U2.2@5578.27,3723.07
  Top Layer w50: J2.5@2121.85,3287.17 J2.1@2225,3287.17 ; U6.3@2910,390 2920.55,390 3335,390 3345.55,390 3770.02,390 3781.81,390 U7.3@4195,390 ; R2.2@5000,3156.89 5000,3016.06 5106.06,2910 C3.1@5110,2910 5381.06,2910 5386.06,2905 C2.1@5390,2905 5390.59,2905.59 5453.03,2905.59 5562.44,3015 L2.2@5590,3015 5617.56,3015 5730,2902.56 R1.2@5730,2754.06
  Bottom Layer w10: v1(5165,4205) 5205,4205 5265,4145 v1(5265,3480)
+12: C1.1 L1.1 U1.1 | length 384.5
  Top Layer w20: U1.1@5613.27,2351.14 5615,2349.41 C1.1@5615,2200 5615,1993.43 L1.1@5633.43,1975
ANT_GNSS: C46.2 U13.121 | length 319.4
  Top Layer w10: C46.2@3955,3403.35 4158.35,3403.35 4181.64,3380.06 U13.121@4181.64,3296.94
ANT_MAIN: U10.S U13.87 | length 125.3
  Top Layer w10: U13.87@4681.16,2285.22 4682.93,2286.99 4803.25,2286.99 U10.S@4805.02,2288.76
ANT_WIFI: U11.S U13.77 | length 125
  Top Layer w10: U13.77@4681.16,1891.51 4682.54,1890.14 4803.64,1890.14 U11.S@4805.02,1888.76
CLK_PLL: C48.2 R36.2 U14.C3 | length 160.9
  Top Layer w10: U14.C3@2462.21,2502.64 2508.62,2502.64 2540,2534.02 C48.2@2540,2535 2542.5,2537.5 2571.42,2537.5 2595.94,2562.03 R36.2@2595.94,2564
DAT_PLL: R37.2 U14.C7 | length 145.7
  Top Layer w10: U14.C7@2462.23,2441.4 2571.44,2441.4 2595.97,2465.92 R37.2@2595.97,2467.76
ETH_PLL: C24.1 L4.1 U4.48 | length 1553.1
  Top Layer w10: U4.48@2796.34,3173.5 2802.87,3173.5 2990,3360.63 2990,3650 3393.31,4053.31 C24.1@3393.31,4200 3393.31,4392.05 L4.1@3452.32,4451.06